# Altium PCB IDC_MCX_Adapter.PCBDOC (part 1 of 3) (continued)
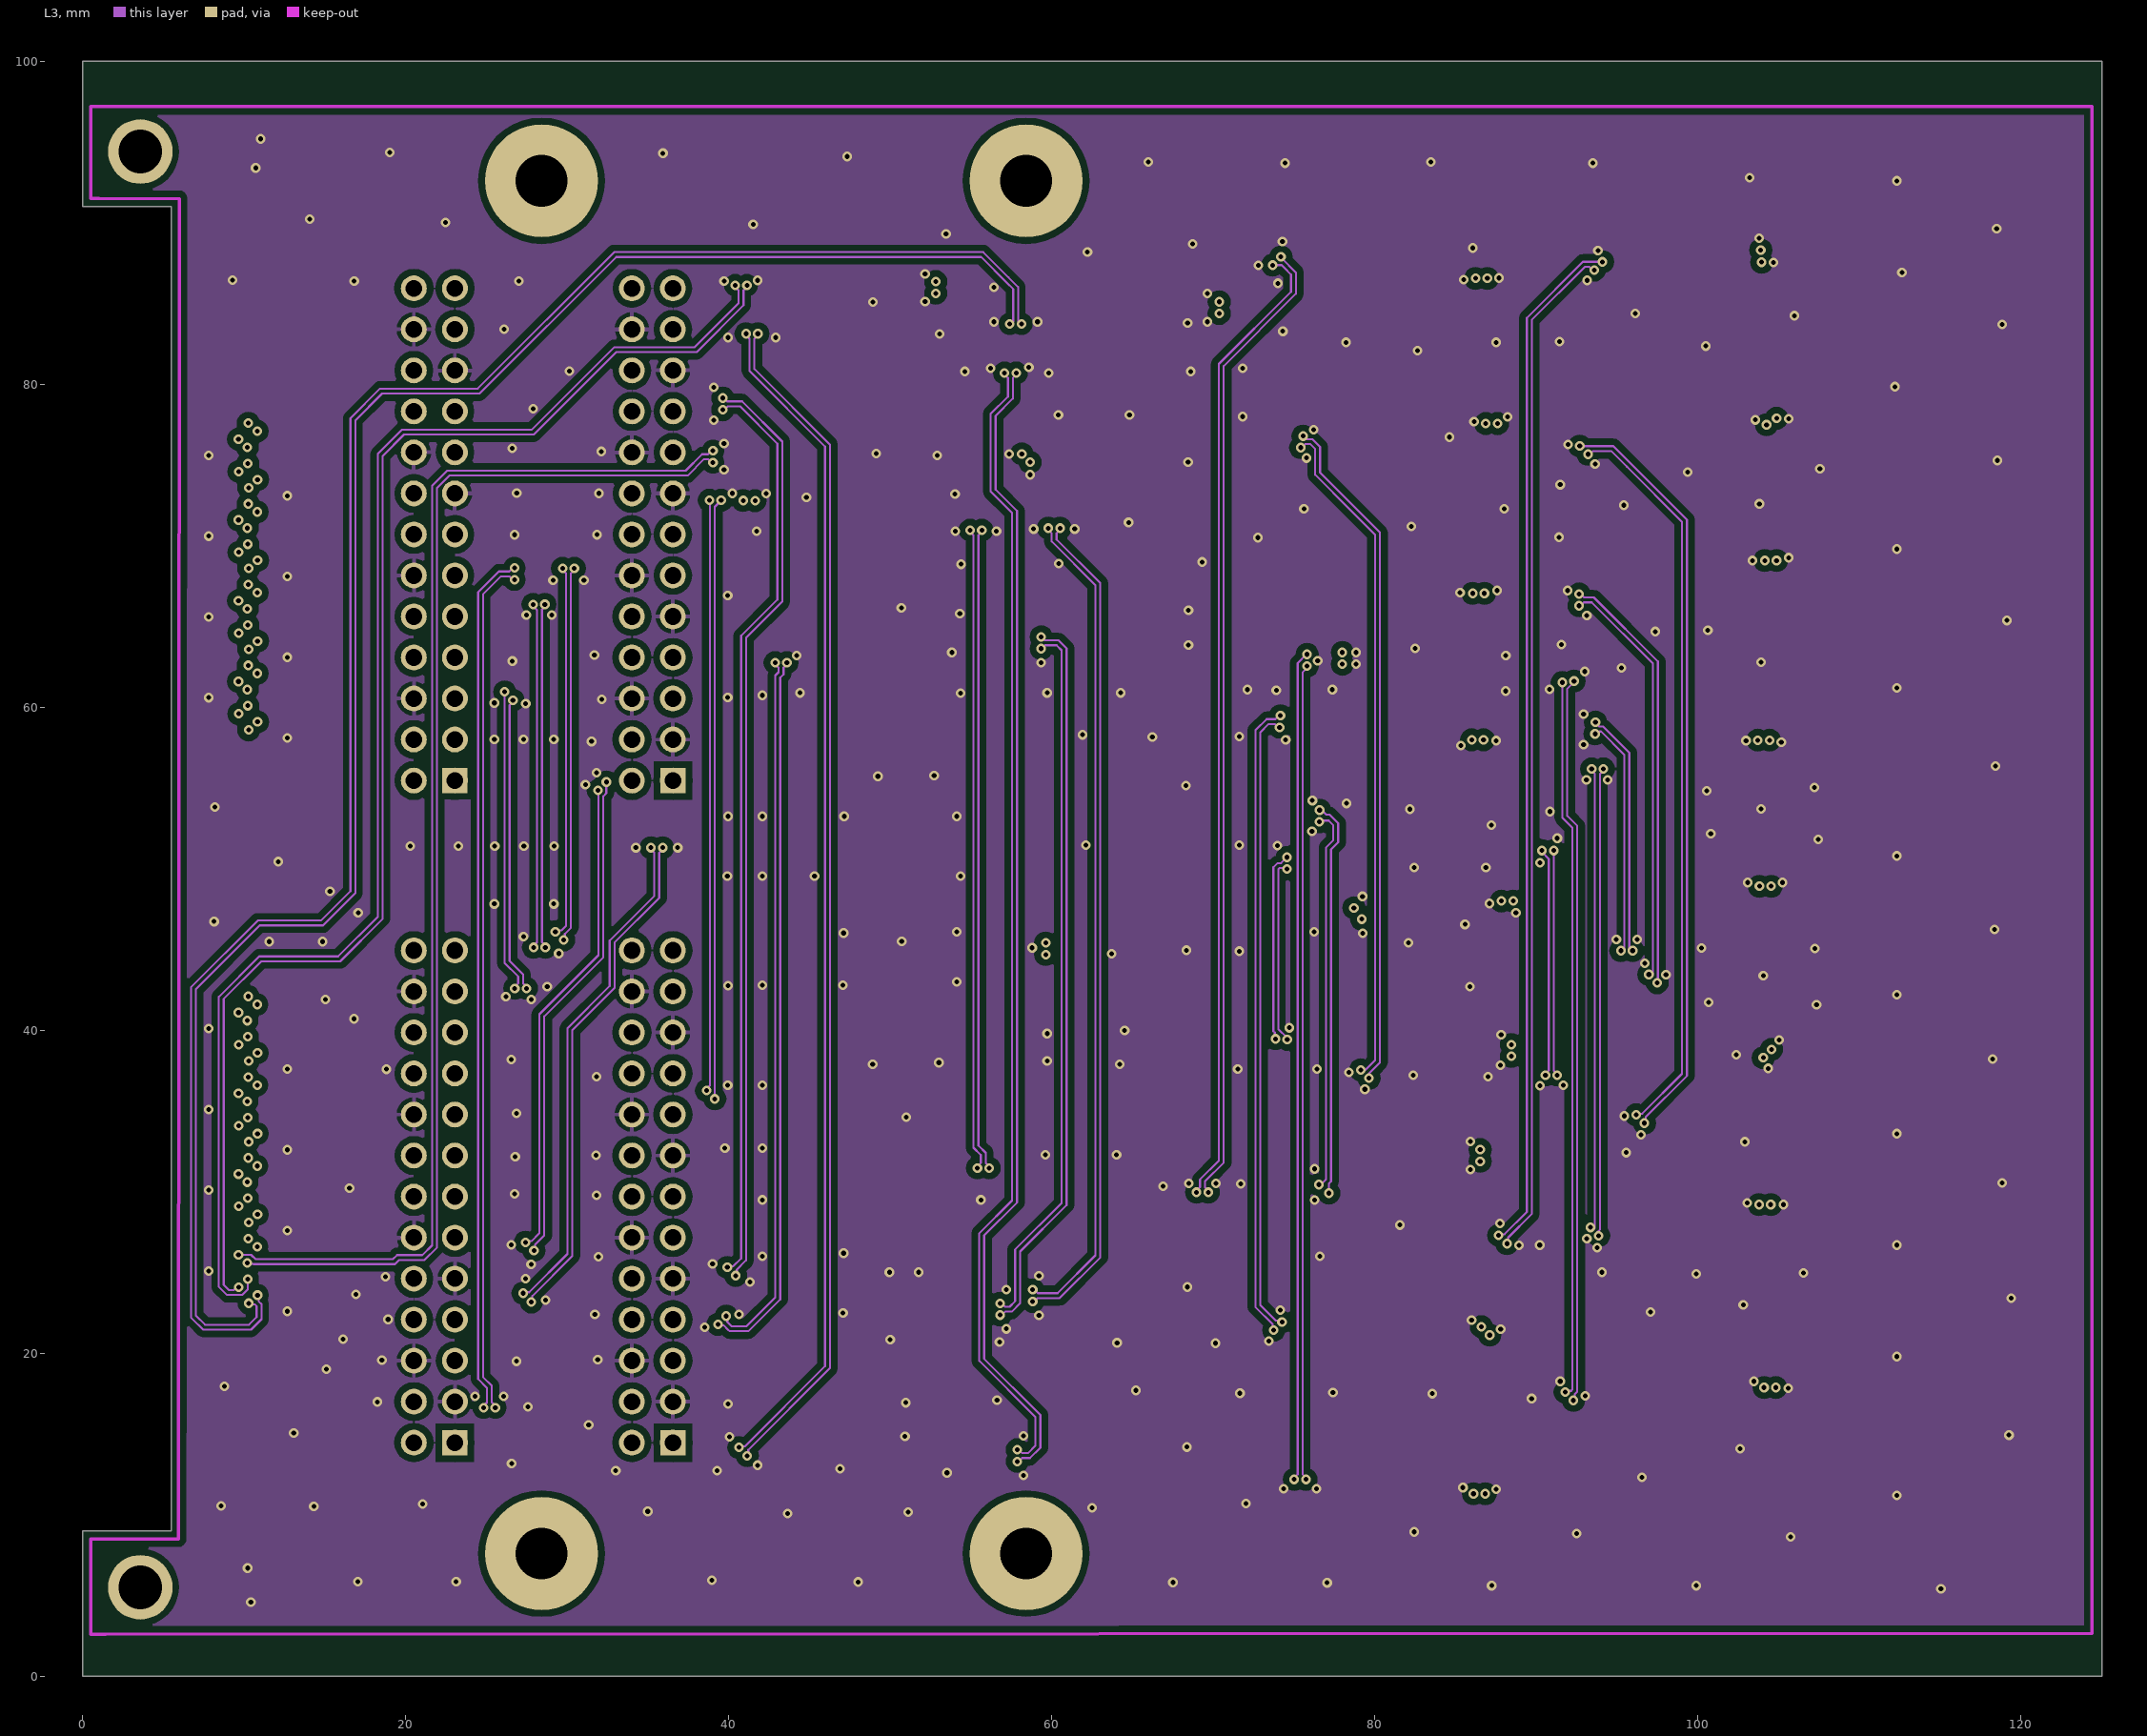
[diagram p4: L3]
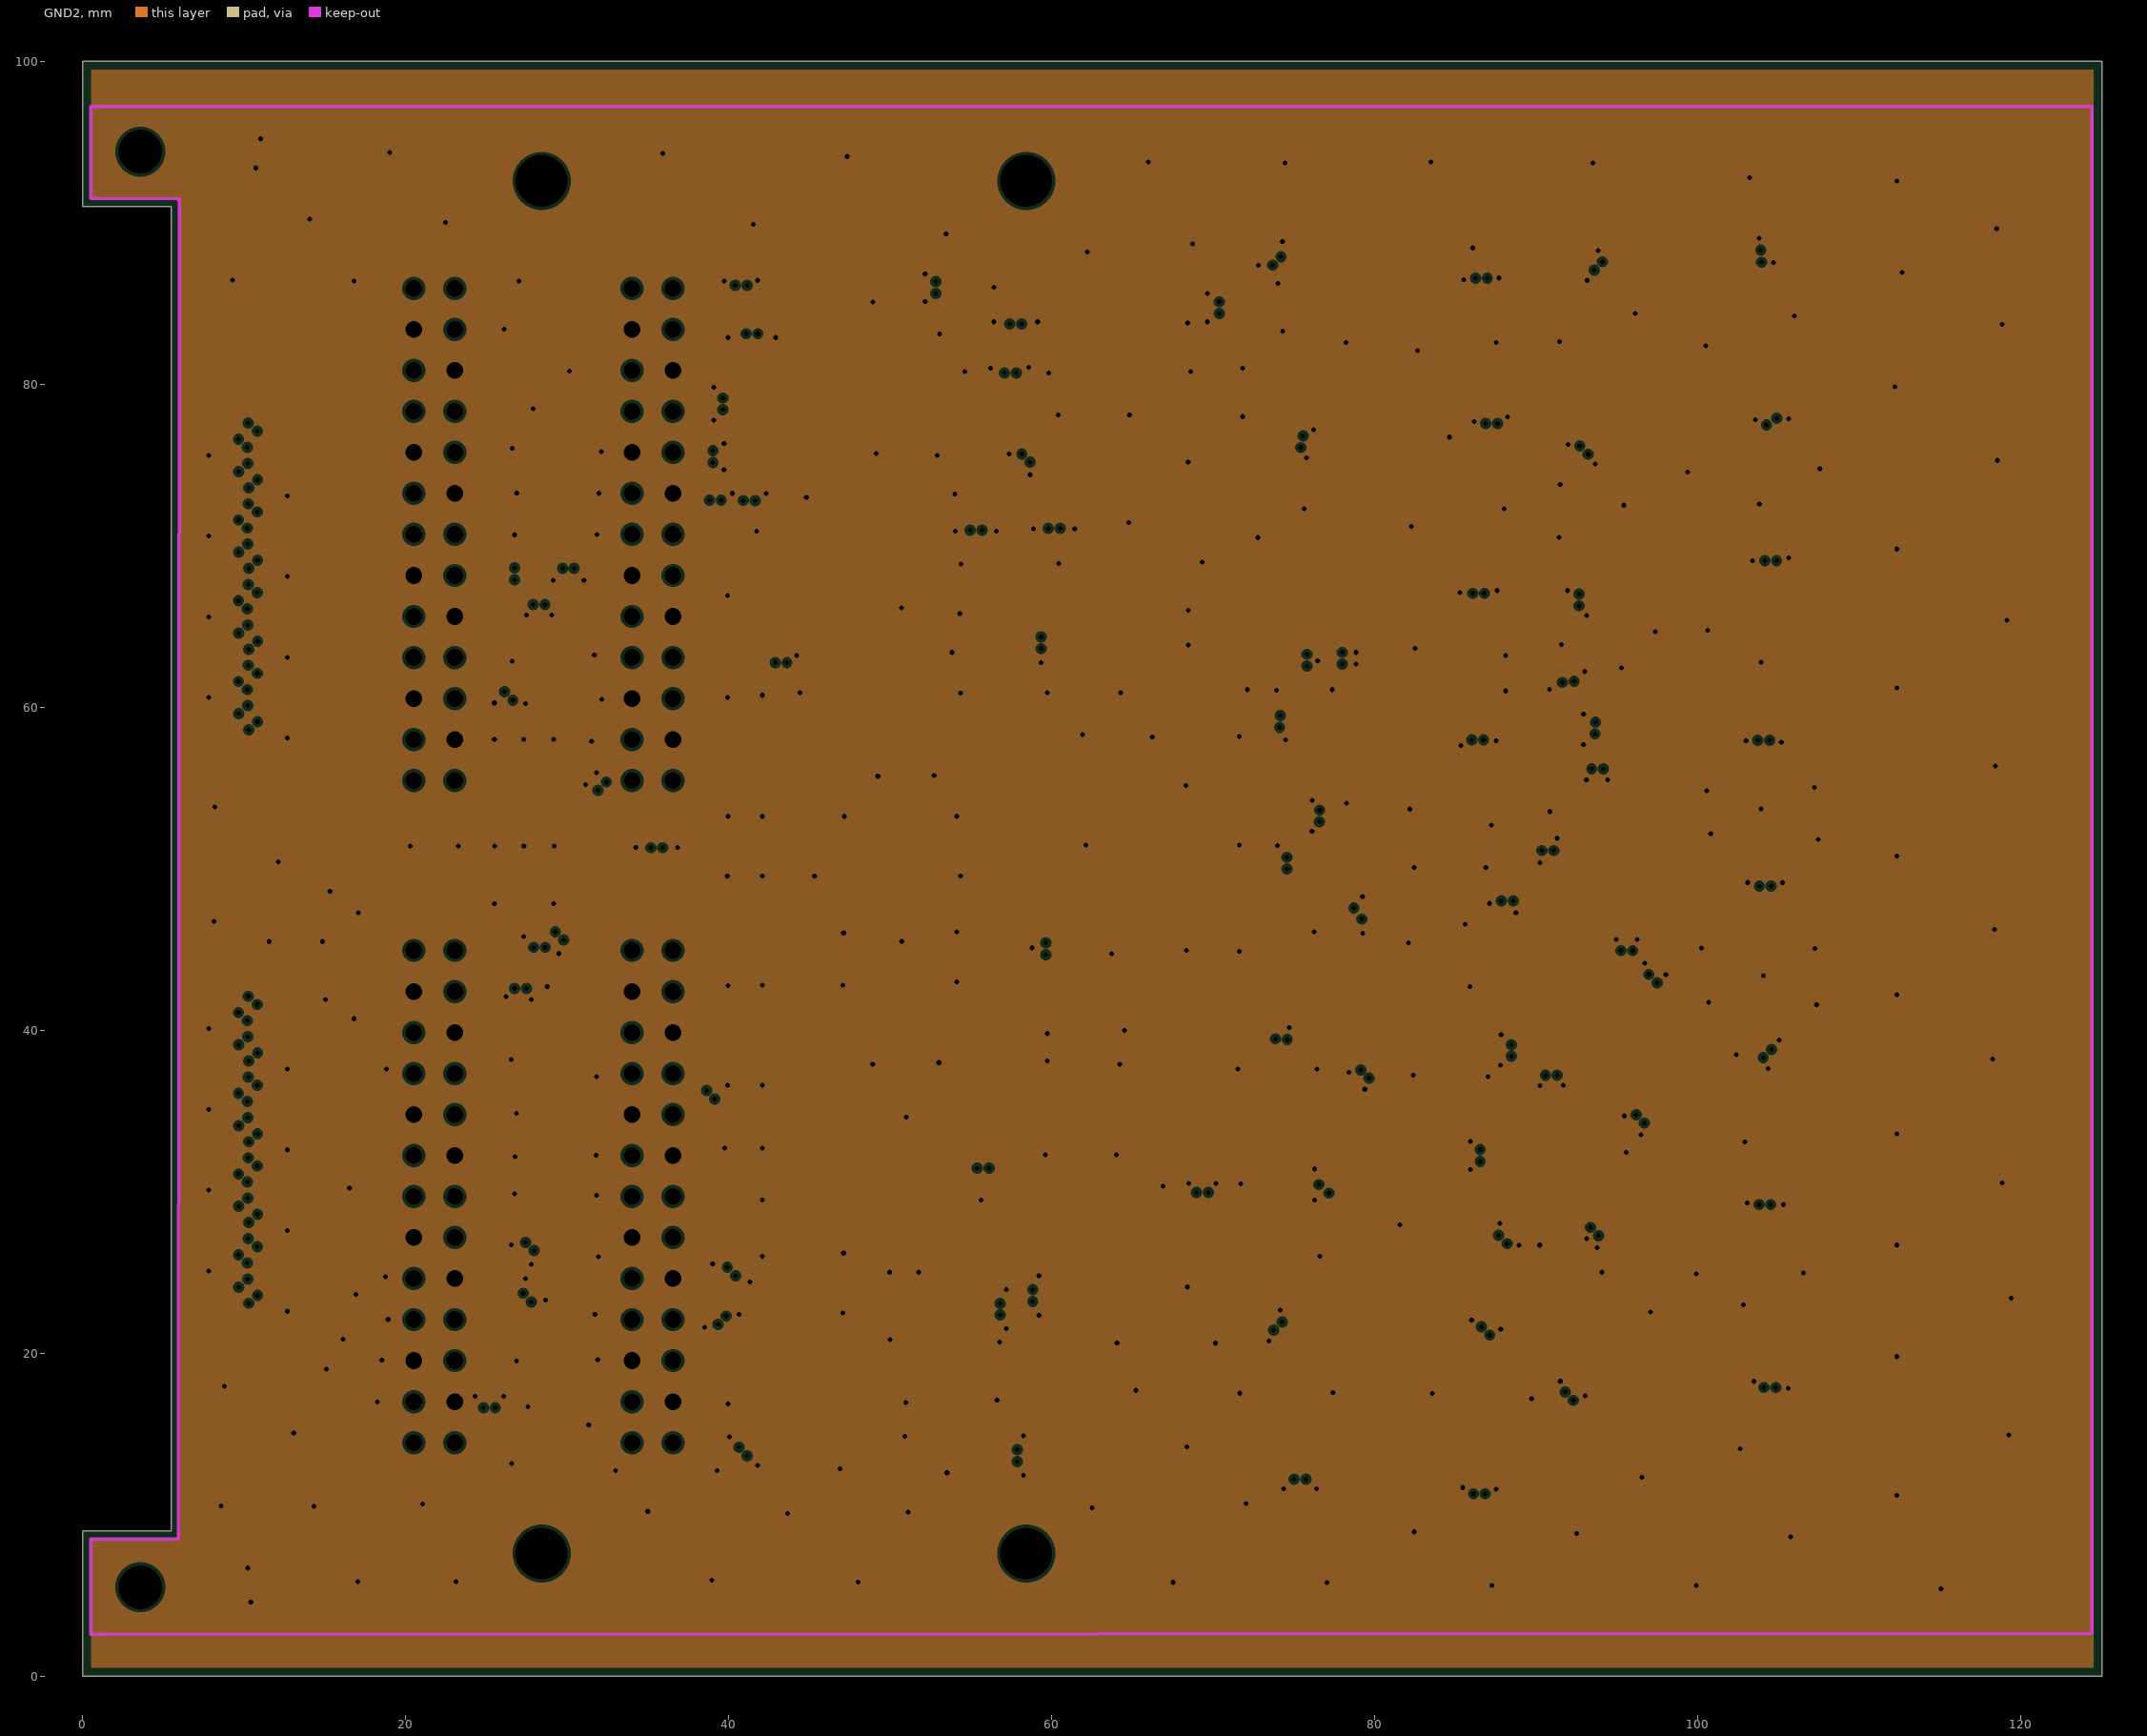
[diagram p5: GND2, clearances drawn from the general rule]
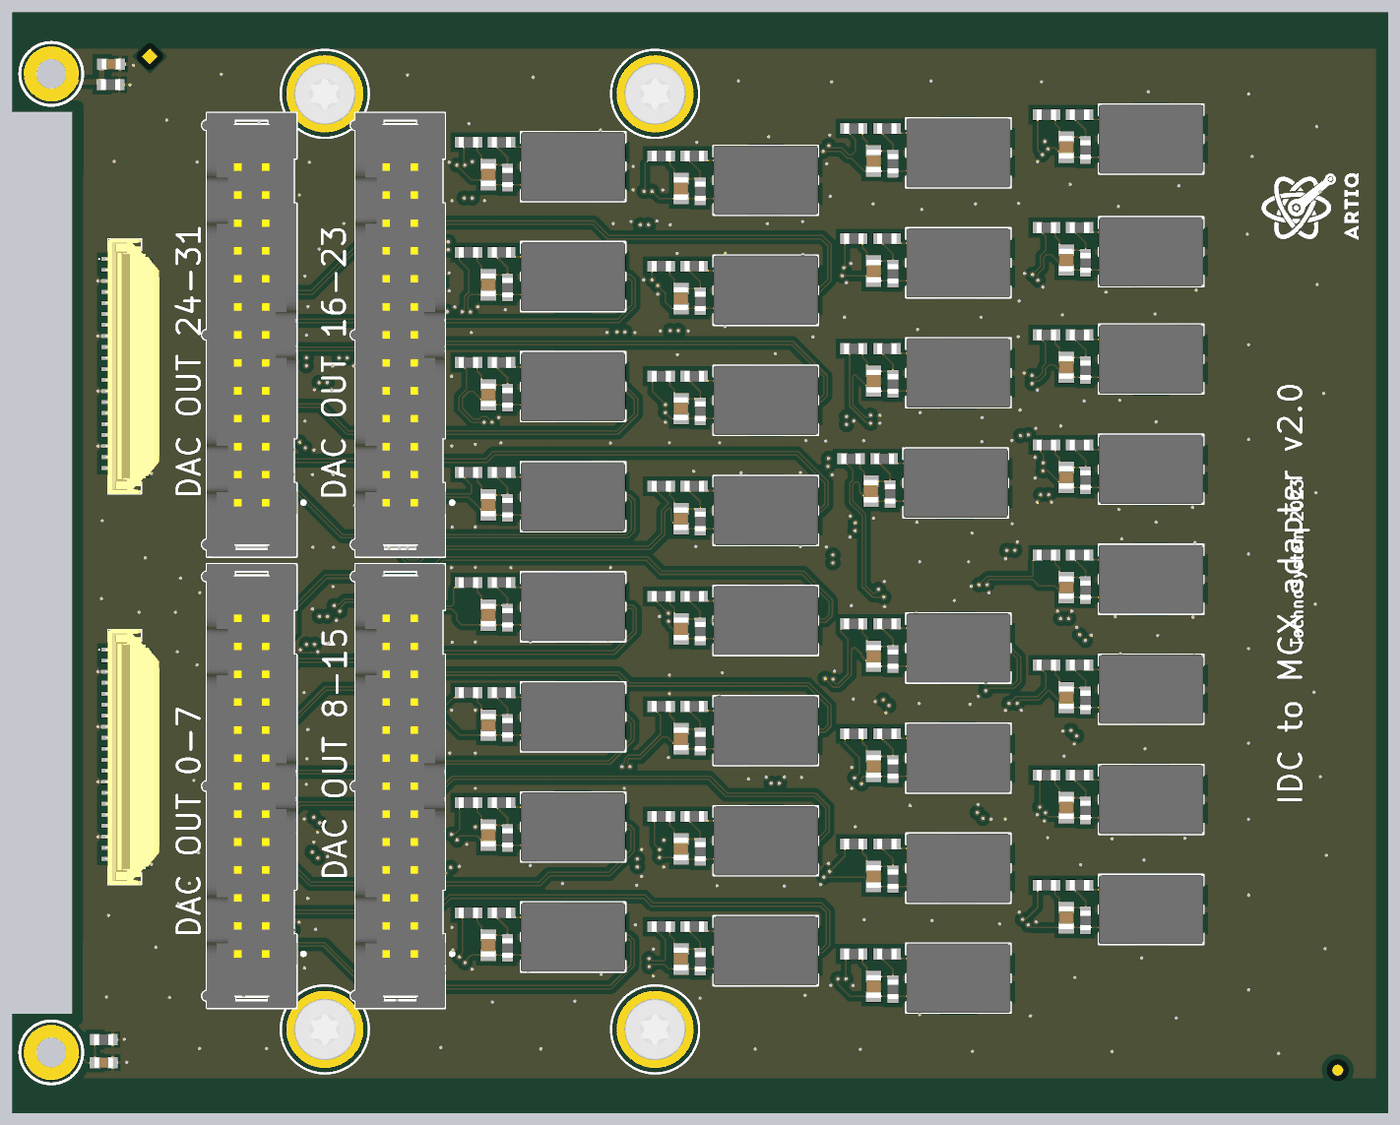
[diagram p8: 3D render of the assembled board from above, using the file's embedded part models]
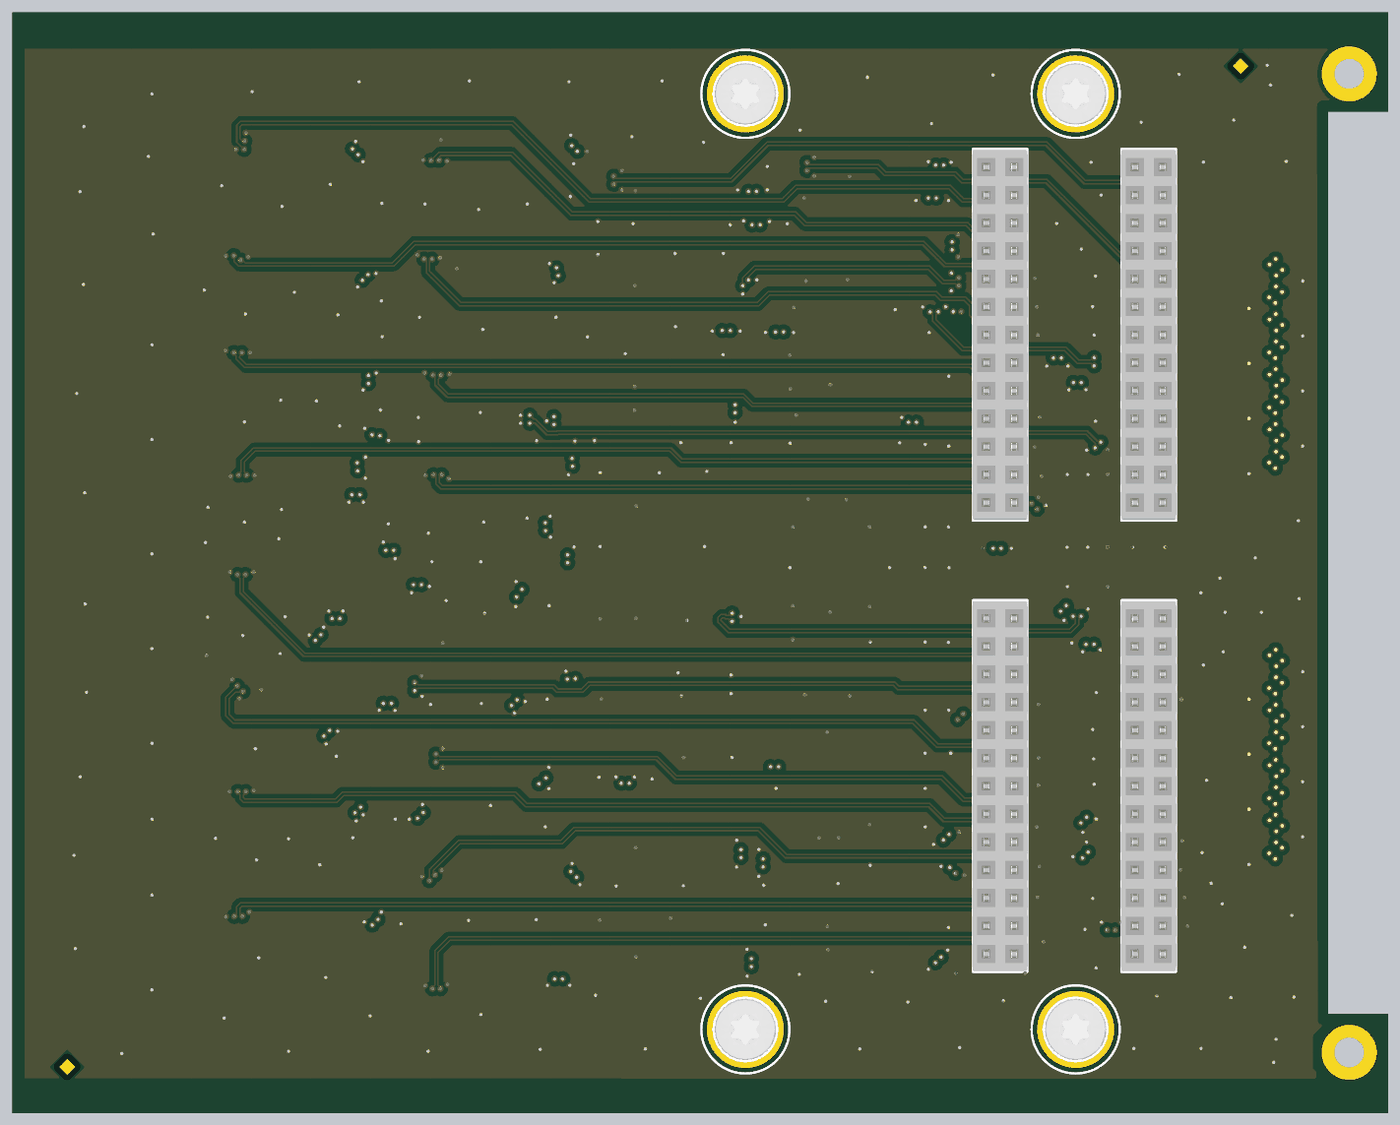
[diagram p9: 3D render of the assembled board from below, using the file's embedded part models]

## Layer stack, top to bottom
BottomSolder: solder mask 0.01, Solder Resist, Dk 3.5
L1: signal copper 0.047
Dielectric 1: prepreg 0.1118, PP-015, Dk 4.3
GND1: plane copper 0.018, net GND
Dielectric1: prepreg 0.0965, PP-013, Dk 4.3
L2: signal copper 0.0175
Dielectric 5: prepreg 0.1118, PP-015, Dk 4.3
Dielectric 3: core 0.7112, Core-039, Dk 4.8
Dielectric 4: prepreg 0.1118, PP-015, Dk 4.3
L3: signal copper 0.0175
Dielectric 2: prepreg 0.0965, PP-013, Dk 4.3
GND2: plane copper 0.018, net GND
Dielectric5: prepreg 0.1118, PP-015, Dk 4.3
L4: signal copper 0.047
TopSolder: solder mask 0.01, Solder Resist, Dk 3.5

## Board outline
0,0 0,9 5.486,9 5.486,91 0,91 0,100 125,100 125,0

## Design rules (kind name [scope] priority, off if disabled: settings)
AcuteAngle [All] p1: minimum=4.50000000000000E+0001 checktracksonly=FALSE
Clearance Clearance_diff [InAnyDifferentialPair] p1: gap=0.254 ignorepadtopadclearanceinfootprint=FALSE except(0.24: Track-THPad; 0.4: Arc-Poly Track-Poly SMDPad-Poly THPad-Poly Via-Poly Fill-Poly Poly-Poly)
Clearance [All] p2: gap=0.127 ignorepadtopadclearanceinfootprint=FALSE except(0: Arc-Hole Track-Hole SMDPad-Hole THPad-Hole Via-Hole Fill-Hole Poly-Hole Region-Hole Text-Hole; 0.4: Arc-Poly Track-Poly SMDPad-Poly THPad-Poly Via-Poly Fill-Poly Poly-Poly)
ComponentClearance ComponentClearance_1 [HasFootprint('IND_WURTH_WE-SL2')  OR HasFootprint('BOSSARD_BN5687-3061605_v')  OR    HasFootprint('SMTC-ESW-113-23-X-D')    OR HasFootprint('R30-1001802')     OR   InComponent('B2')   OR InComponent('B3')] p1: gap=0 collisioncheckmode=3 verticalgap=0 showdistances=FALSE
ComponentClearance [All] p2: gap=0.254 collisioncheckmode=3 verticalgap=0.254 showdistances=FALSE
DiffPairsRouting [All] p1: maxlimit=0.178 minlimit=0.168 mostfreqgap=0.178 toplayer_maxgap=0.168 toplayer_prefgap=0.168 toplayer_minwidth=0.137 toplayer_maxwidth=0.137 toplayer_prefwidth=0.137 midlayer1_mingap=0.178 midlayer1_minwidth=0.127 midlayer1_maxwidth=0.127 midlayer1_prefwidth=0.127 midlayer2_mingap=0.178 midlayer2_minwidth=0.127 midlayer2_maxwidth=0.127 midlayer2_prefwidth=0.127 bottomlayer_maxgap=0.168 bottomlayer_prefgap=0.168 bottomlayer_minwidth=0.137 bottomlayer_maxwidth=0.137 bottomlayer_prefwidth=0.137 impedanceprofiledriven=TRUE impedanceprofileid={6565A2C8-1C94-49AE-A7AF-0F4E1858CAAC} impedanceprofilevalue=100.000000 filterlayerstackid={88852237-8349-4B0E-A64B-F6C4E37CD660} maxuncoupledlength=16
FabricationTestPointUsage TestPointUsage [All] p1: valid=0 allowmultiple=FALSE
FabricationTestpoint Testpoint [All] p1: side=3 testpointundercomponent=TRUE minsize=1.016 maxsize=2.54 preferedsize=1.524 minholesize=0.508 maxholesize=1.016 preferedholesize=0.813 testpointgrid=0.025 allowsidetop=TRUE allowsidebottom=TRUE usegrid=TRUE gridtolerance=0
Height [All] p1: minheight=0 maxheight=40 prefheight=40
HoleSize [All] p1: absolutevalues=TRUE maxlimit=3.81 minlimit=0.3 maxpercent=80.000 minpercent=20.000
HoleToHoleClearance HoleToHoleClearance_IDC [InComponent('J4') OR InComponent('J3') OR InComponent('J5') OR InComponent('J7')] p1: gap=0 allowstackedmicrovias=TRUE
HoleToHoleClearance [All] p2: gap=0.254 allowstackedmicrovias=TRUE
MinimumSolderMaskSliver [All] p1: minsoldermaskwidth=0.076
NetAntennae [All] p1: netantennaetolerance=0.025
PlaneClearance [All] p1: clearance=0.2
PlaneConnect [All] p1: planeconnectstyle=Direct reliefexpansion=0.508 reliefentries=4 reliefconductorwidth=0.254 reliefairgap=0.254
PolygonConnect PolygonConnect_pad [(InPadClass('All Pads'))] p1: connectstyle=Relief reliefconductorwidth=0.254 reliefentries=4 polygonreliefangle="90 Angle" airgapwidth=0.254
PolygonConnect [All] p2: connectstyle=Direct reliefconductorwidth=0.254 reliefentries=4 polygonreliefangle="45 Angle" airgapwidth=0.254
RoomDefinition Front_panel_FFC [InComponentClass('Front_panel_FFC')] p1: confinementstyle=ConfineIn formatcopy=TRUE lockcomponents=FALSE outline 6.655,19.71 14.656,19.71 14.656,81.255 6.655,81.255
RoomDefinition U_RLC_filter1 [InComponentClass('U_RLC_filter1')] p2: confinementstyle=ConfineIn formatcopy=TRUE lockcomponents=FALSE outline 40,12.5 56.5,12.5 56.5,19.5 40,19.5
RoomDefinition U_RLC_filter32 [InComponentClass('U_RLC_filter32')] p3: confinementstyle=ConfineIn formatcopy=TRUE lockcomponents=FALSE outline 57.5,81.25 74,81.25 74,88.25 57.5,88.25
RoomDefinition U_RLC_filter31 [InComponentClass('U_RLC_filter31')] p4: confinementstyle=ConfineIn formatcopy=TRUE lockcomponents=FALSE outline 40,82.5 56.5,82.5 56.5,89.5 40,89.5
RoomDefinition U_RLC_filter30 [InComponentClass('U_RLC_filter30')] p5: confinementstyle=ConfineIn formatcopy=TRUE lockcomponents=FALSE outline 57.5,71.25 74,71.25 74,78.25 57.5,78.25
RoomDefinition U_RLC_filter29 [InComponentClass('U_RLC_filter29')] p6: confinementstyle=ConfineIn formatcopy=TRUE lockcomponents=FALSE outline 40,72.5 56.5,72.5 56.5,79.5 40,79.5
RoomDefinition U_RLC_filter28 [InComponentClass('U_RLC_filter28')] p7: confinementstyle=ConfineIn formatcopy=TRUE lockcomponents=FALSE outline 57.5,61.25 74,61.25 74,68.25 57.5,68.25
RoomDefinition U_RLC_filter27 [InComponentClass('U_RLC_filter27')] p8: confinementstyle=ConfineIn formatcopy=TRUE lockcomponents=FALSE outline 40,62.5 56.5,62.5 56.5,69.5 40,69.5
RoomDefinition U_RLC_filter26 [InComponentClass('U_RLC_filter26')] p9: confinementstyle=ConfineIn formatcopy=TRUE lockcomponents=FALSE outline 57.5,51.25 74,51.25 74,58.25 57.5,58.25
RoomDefinition U_RLC_filter25 [InComponentClass('U_RLC_filter25')] p10: confinementstyle=ConfineIn formatcopy=TRUE lockcomponents=FALSE outline 40,52.5 56.5,52.5 56.5,59.5 40,59.5
RoomDefinition U_RLC_filter24 [InComponentClass('U_RLC_filter24')] p11: confinementstyle=ConfineIn formatcopy=TRUE lockcomponents=FALSE outline 92.5,85 109,85 109,92 92.5,92
RoomDefinition U_RLC_filter23 [InComponentClass('U_RLC_filter23')] p12: confinementstyle=ConfineIn formatcopy=TRUE lockcomponents=FALSE outline 75,83.75 91.5,83.75 91.5,90.75 75,90.75
RoomDefinition U_RLC_filter22 [InComponentClass('U_RLC_filter22')] p13: confinementstyle=ConfineIn formatcopy=TRUE lockcomponents=FALSE outline 92.5,74.75 109,74.75 109,81.75 92.5,81.75
RoomDefinition U_RLC_filter21 [InComponentClass('U_RLC_filter21')] p14: confinementstyle=ConfineIn formatcopy=TRUE lockcomponents=FALSE outline 75,73.75 91.5,73.75 91.5,80.75 75,80.75
RoomDefinition U_RLC_filter20 [InComponentClass('U_RLC_filter20')] p15: confinementstyle=ConfineIn formatcopy=TRUE lockcomponents=FALSE outline 92.5,65 109,65 109,72 92.5,72
RoomDefinition U_RLC_filter19 [InComponentClass('U_RLC_filter19')] p16: confinementstyle=ConfineIn formatcopy=TRUE lockcomponents=FALSE outline 75,63.75 91.5,63.75 91.5,70.75 75,70.75
RoomDefinition U_RLC_filter18 [InComponentClass('U_RLC_filter18')] p17: confinementstyle=ConfineIn formatcopy=TRUE lockcomponents=FALSE outline 92.5,55 109,55 109,62 92.5,62
RoomDefinition U_RLC_filter17 [InComponentClass('U_RLC_filter17')] p18: confinementstyle=ConfineIn formatcopy=TRUE lockcomponents=FALSE outline 74.75,53.75 91.25,53.75 91.25,60.75 74.75,60.75
RoomDefinition U_RLC_filter16 [InComponentClass('U_RLC_filter16')] p19: confinementstyle=ConfineIn formatcopy=TRUE lockcomponents=FALSE outline 92.5,45 109,45 109,52 92.5,52
RoomDefinition U_RLC_filter15 [InComponentClass('U_RLC_filter15')] p20: confinementstyle=ConfineIn formatcopy=TRUE lockcomponents=FALSE outline 75,38.75 91.5,38.75 91.5,45.75 75,45.75
RoomDefinition U_RLC_filter14 [InComponentClass('U_RLC_filter14')] p21: confinementstyle=ConfineIn formatcopy=TRUE lockcomponents=FALSE outline 92.5,35 109,35 109,42 92.5,42
RoomDefinition U_RLC_filter13 [InComponentClass('U_RLC_filter13')] p22: confinementstyle=ConfineIn formatcopy=TRUE lockcomponents=FALSE outline 75,28.75 91.5,28.75 91.5,35.75 75,35.75
RoomDefinition U_RLC_filter12 [InComponentClass('U_RLC_filter12')] p23: confinementstyle=ConfineIn formatcopy=TRUE lockcomponents=FALSE outline 92.5,25 109,25 109,32 92.5,32
RoomDefinition U_RLC_filter11 [InComponentClass('U_RLC_filter11')] p24: confinementstyle=ConfineIn formatcopy=TRUE lockcomponents=FALSE outline 75,18.75 91.5,18.75 91.5,25.75 75,25.75
RoomDefinition U_RLC_filter10 [InComponentClass('U_RLC_filter10')] p25: confinementstyle=ConfineIn formatcopy=TRUE lockcomponents=FALSE outline 92.5,15 109,15 109,22 92.5,22
RoomDefinition U_RLC_filter9 [InComponentClass('U_RLC_filter9')] p26: confinementstyle=ConfineIn formatcopy=TRUE lockcomponents=FALSE outline 75,8.75 91.5,8.75 91.5,15.75 75,15.75
RoomDefinition U_RLC_filter8 [InComponentClass('U_RLC_filter8')] p27: confinementstyle=ConfineIn formatcopy=TRUE lockcomponents=FALSE outline 57.5,41.25 74,41.25 74,48.25 57.5,48.25
RoomDefinition U_RLC_filter7 [InComponentClass('U_RLC_filter7')] p28: confinementstyle=ConfineIn formatcopy=TRUE lockcomponents=FALSE outline 40,42.5 56.5,42.5 56.5,49.5 40,49.5
RoomDefinition U_RLC_filter6 [InComponentClass('U_RLC_filter6')] p29: confinementstyle=ConfineIn formatcopy=TRUE lockcomponents=FALSE outline 57.5,31.25 74,31.25 74,38.25 57.5,38.25
RoomDefinition U_RLC_filter5 [InComponentClass('U_RLC_filter5')] p30: confinementstyle=ConfineIn formatcopy=TRUE lockcomponents=FALSE outline 40,32.5 56.5,32.5 56.5,39.5 40,39.5
RoomDefinition U_RLC_filter4 [InComponentClass('U_RLC_filter4')] p31: confinementstyle=ConfineIn formatcopy=TRUE lockcomponents=FALSE outline 57.5,21.25 74,21.25 74,28.25 57.5,28.25
RoomDefinition U_RLC_filter3 [InComponentClass('U_RLC_filter3')] p32: confinementstyle=ConfineIn formatcopy=TRUE lockcomponents=FALSE outline 40,22.5 56.5,22.5 56.5,29.5 40,29.5
RoomDefinition U_RLC_filter2 [InComponentClass('U_RLC_filter2')] p33: confinementstyle=ConfineIn formatcopy=TRUE lockcomponents=FALSE outline 57.5,11.25 74,11.25 74,18.25 57.5,18.25
RoomDefinition IDC_MCX_Adapter [InComponentClass('IDC_MCX_Adapter')] p34: confinementstyle=ConfineIn formatcopy=TRUE lockcomponents=FALSE outline 124.993,100.025 -0.305,100.025 -0.305,-0.102 124.993,-0.102
RoutingVias [All] p1: holewidth=0.3 width=0.6 viastyle="Through Hole" minholewidth=0.3 minwidth=0.6 maxholewidth=0.711 maxwidth=1.27 viatemplateguid#1={62D27A32-E5E0-4C62-B1AD-688EFE76AD8F} viatemplateguid#2={20EA8C4D-CFF6-4340-90A9-A1A95BB9AFDD} viatemplatename#1=v40h20m0mx0 viatemplatename#2=v50h20m0mx0
SilkToSilkClearance [All] p1: silktosilkclearance=0.025
SilkToSolderMaskClearance Mounting_holes_exception [InComponent('B2','B3','B4','B5')] p1: minsilkscreentomaskgap=0 clearancetoexposedcopper=TRUE // Screws/connectors overlay